# Altium PCB DIO_MCX.PCBDOC (part 1 of 3)
Units mm, origin at the board's own origin, x right, y up, seen from the top; angles counter-clockwise.
Board outline 159.99 x 100 mm, 4 copper layers (L1, P2, P3, L4), stack 1.571 mm thick; 210 components, 126 nets, 816 pads, 324 vias.
Unrouted connection lines stored in the file: 1.
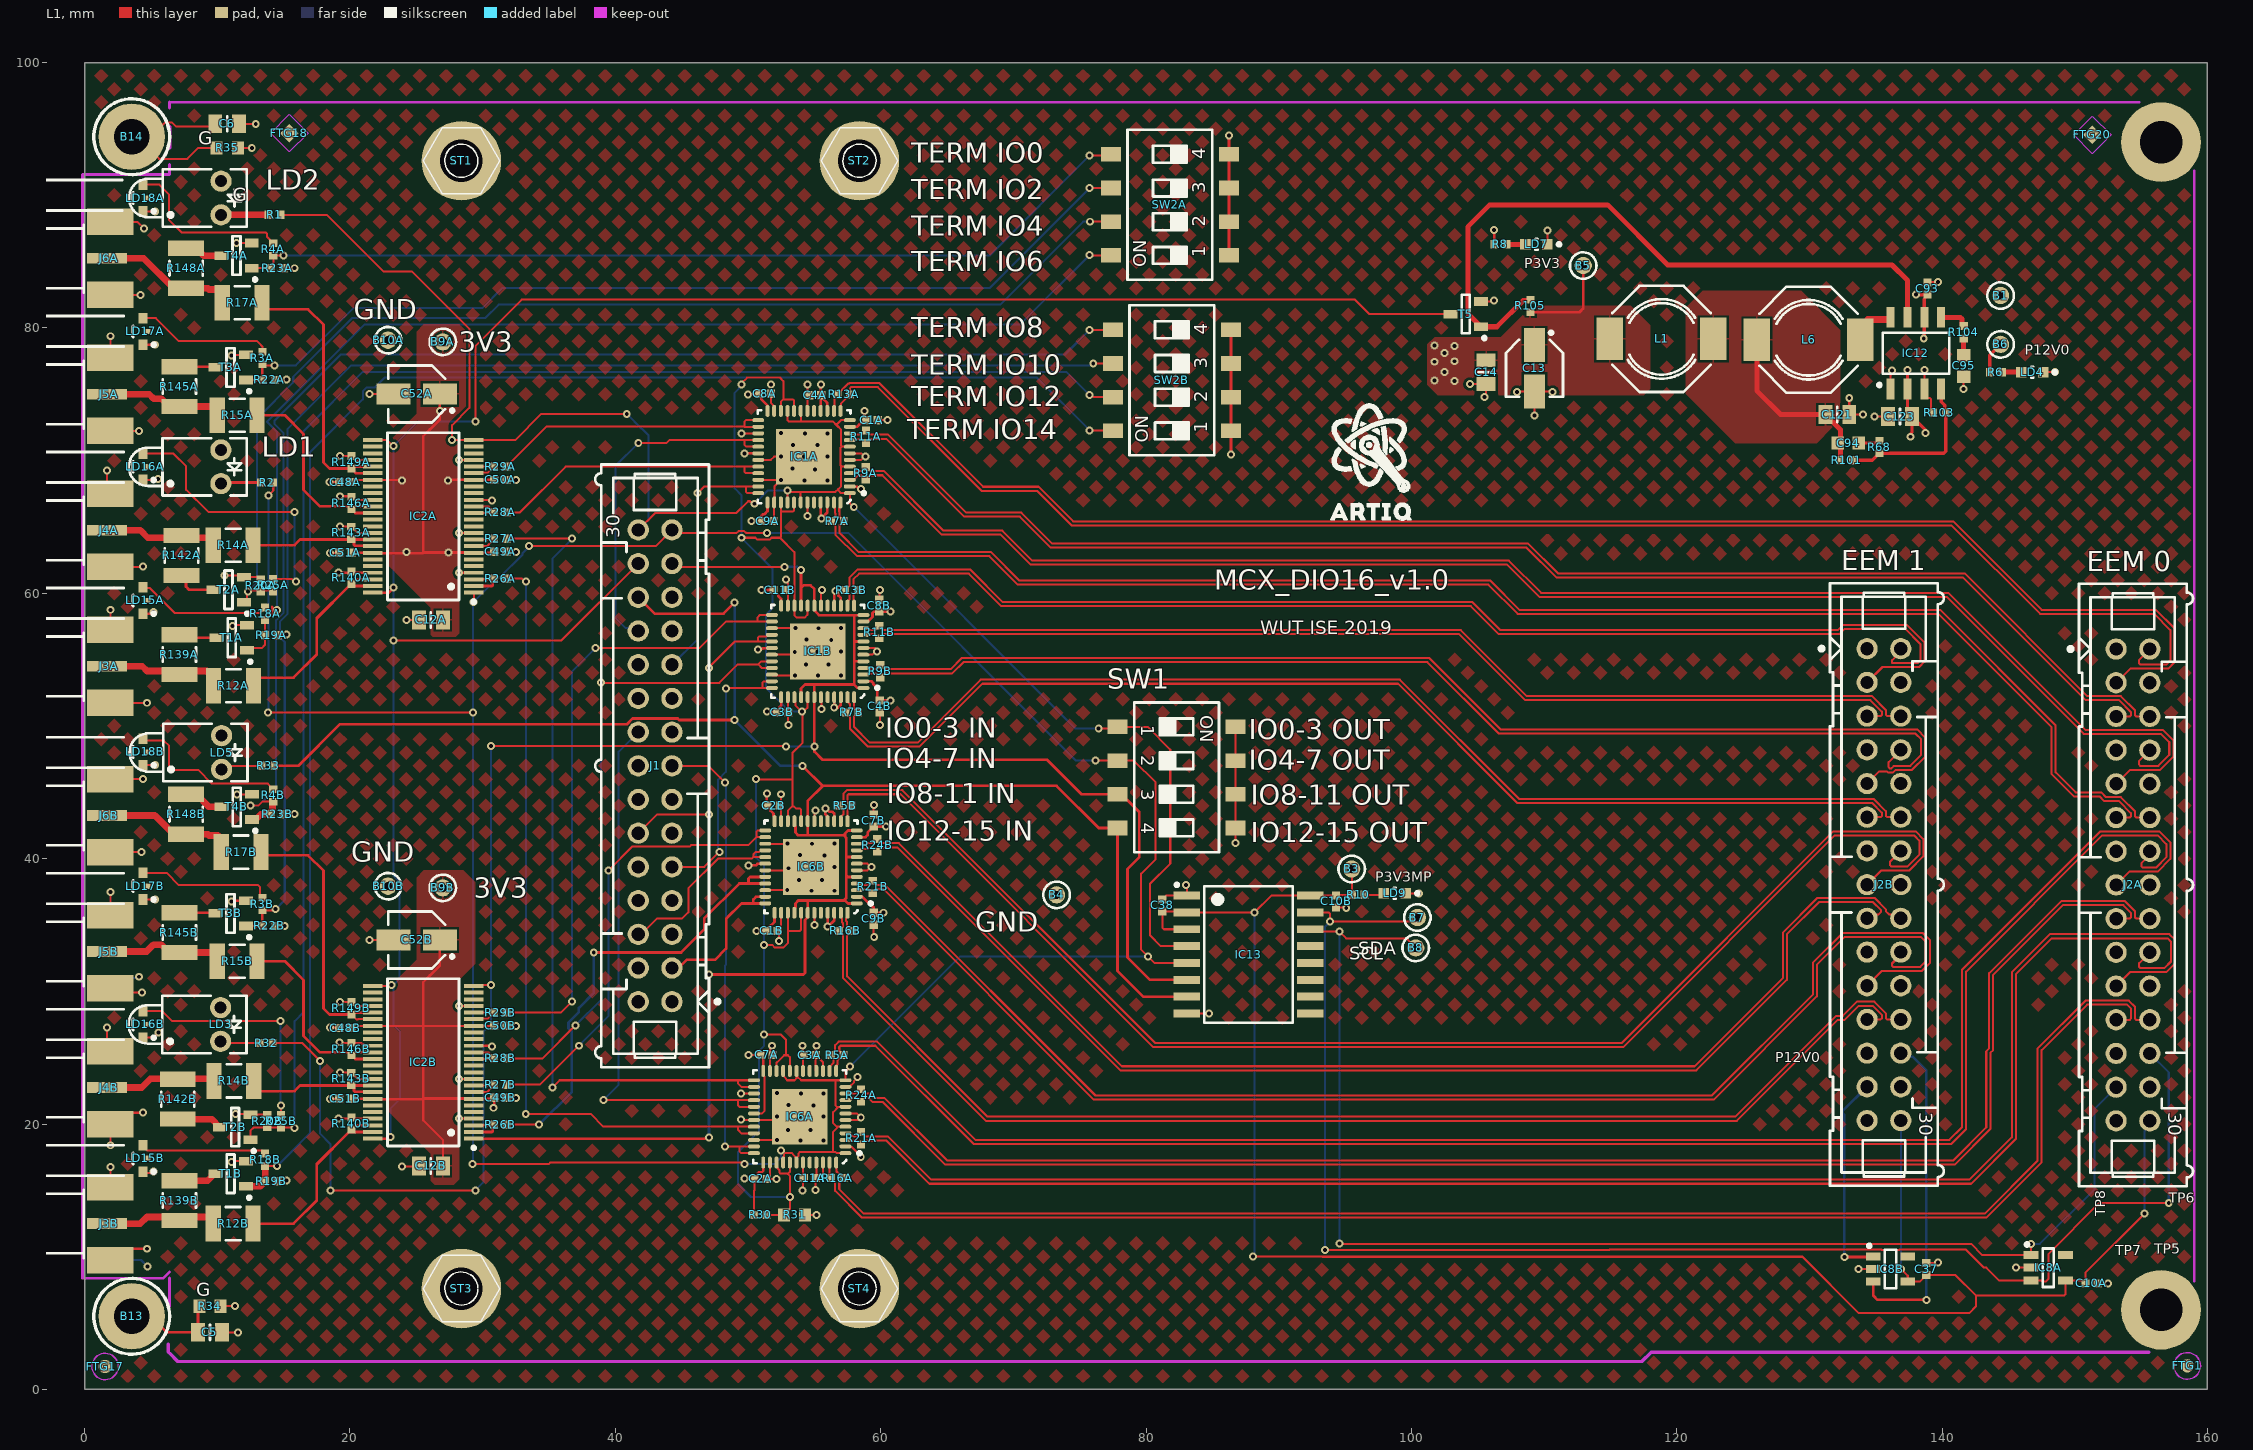
[diagram p0: L1 view]
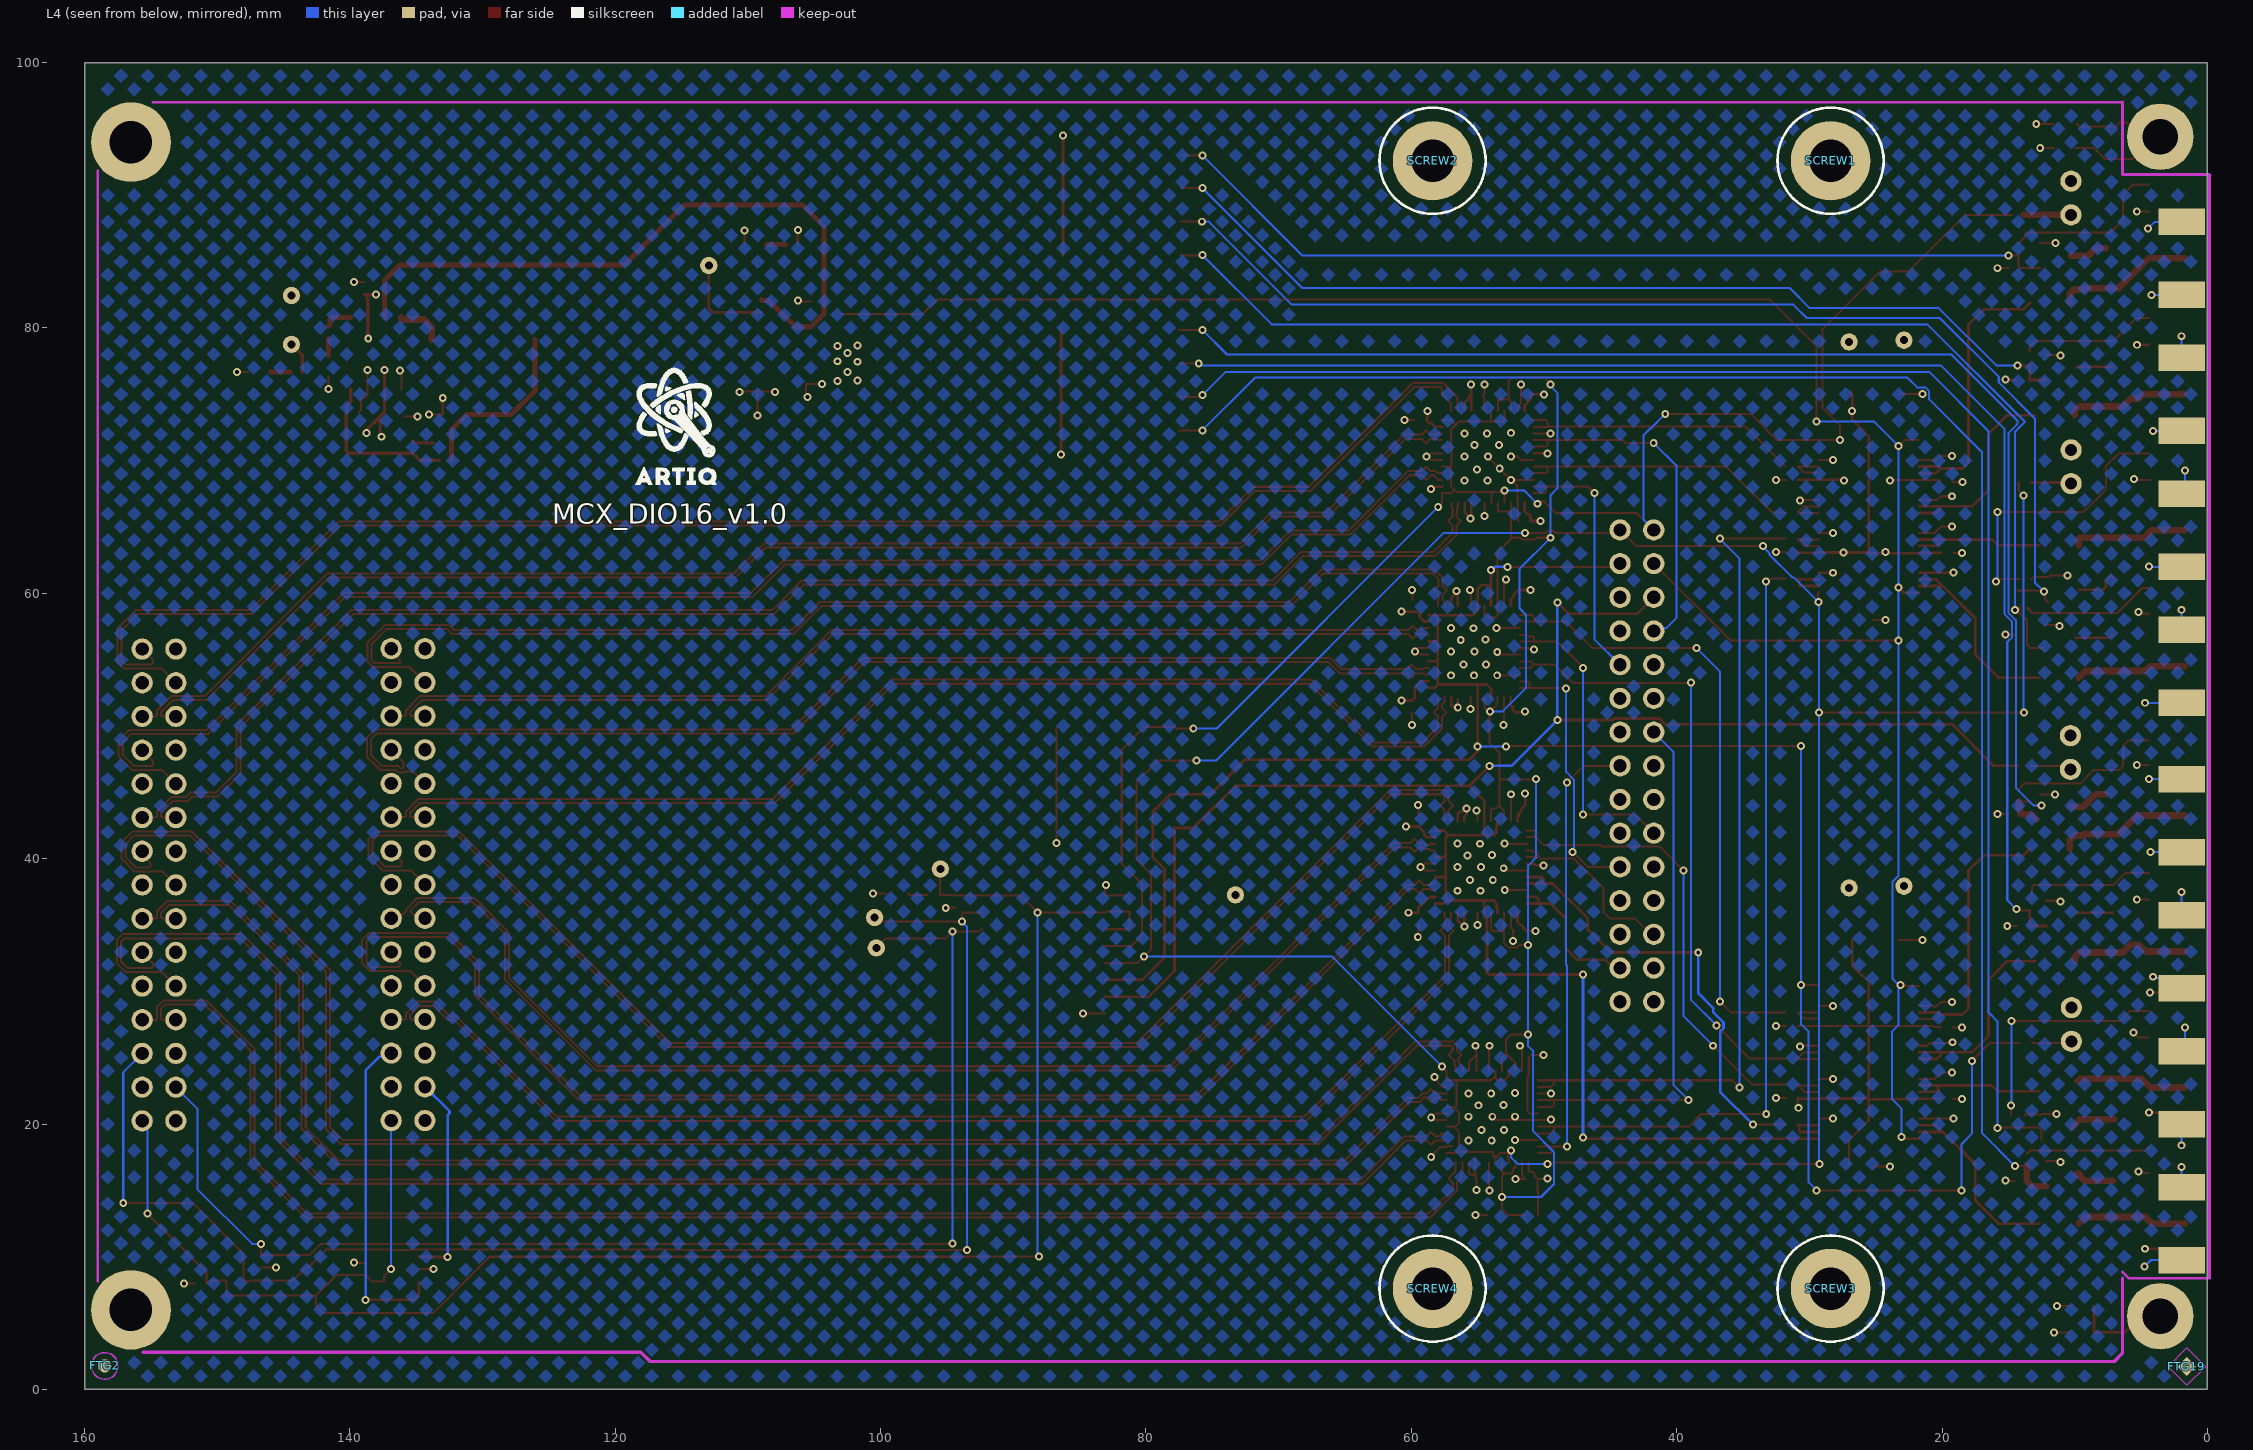
[diagram p1: L4 view, seen from below]
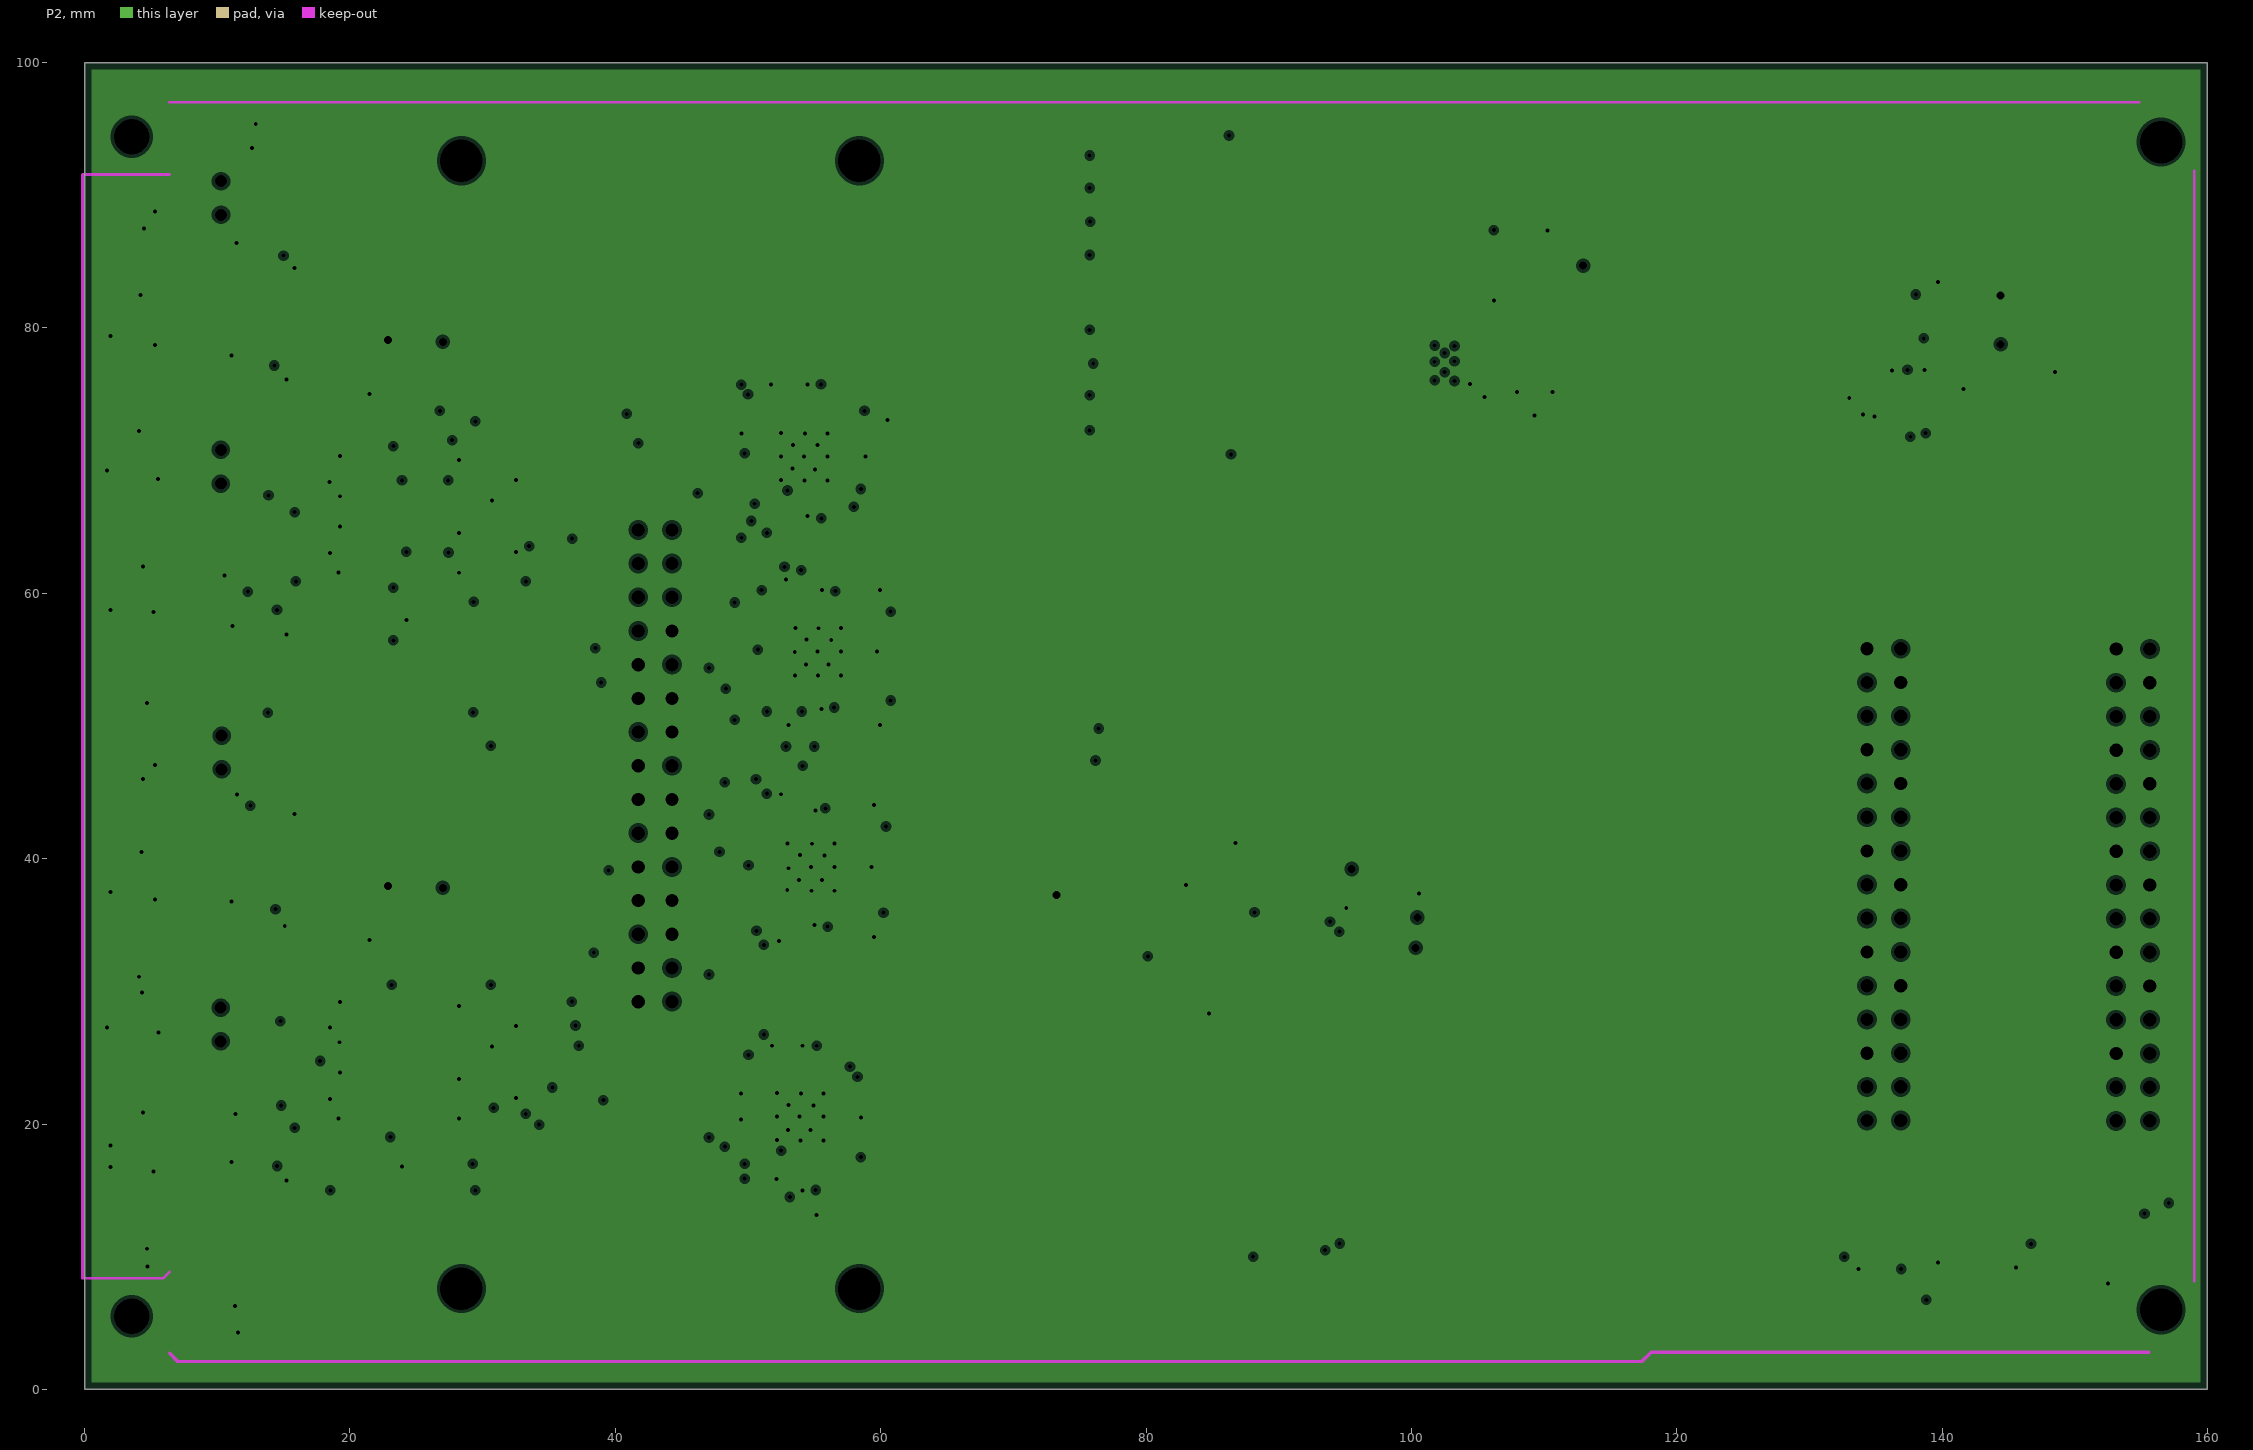
[diagram p2: P2, clearances drawn from the general rule]
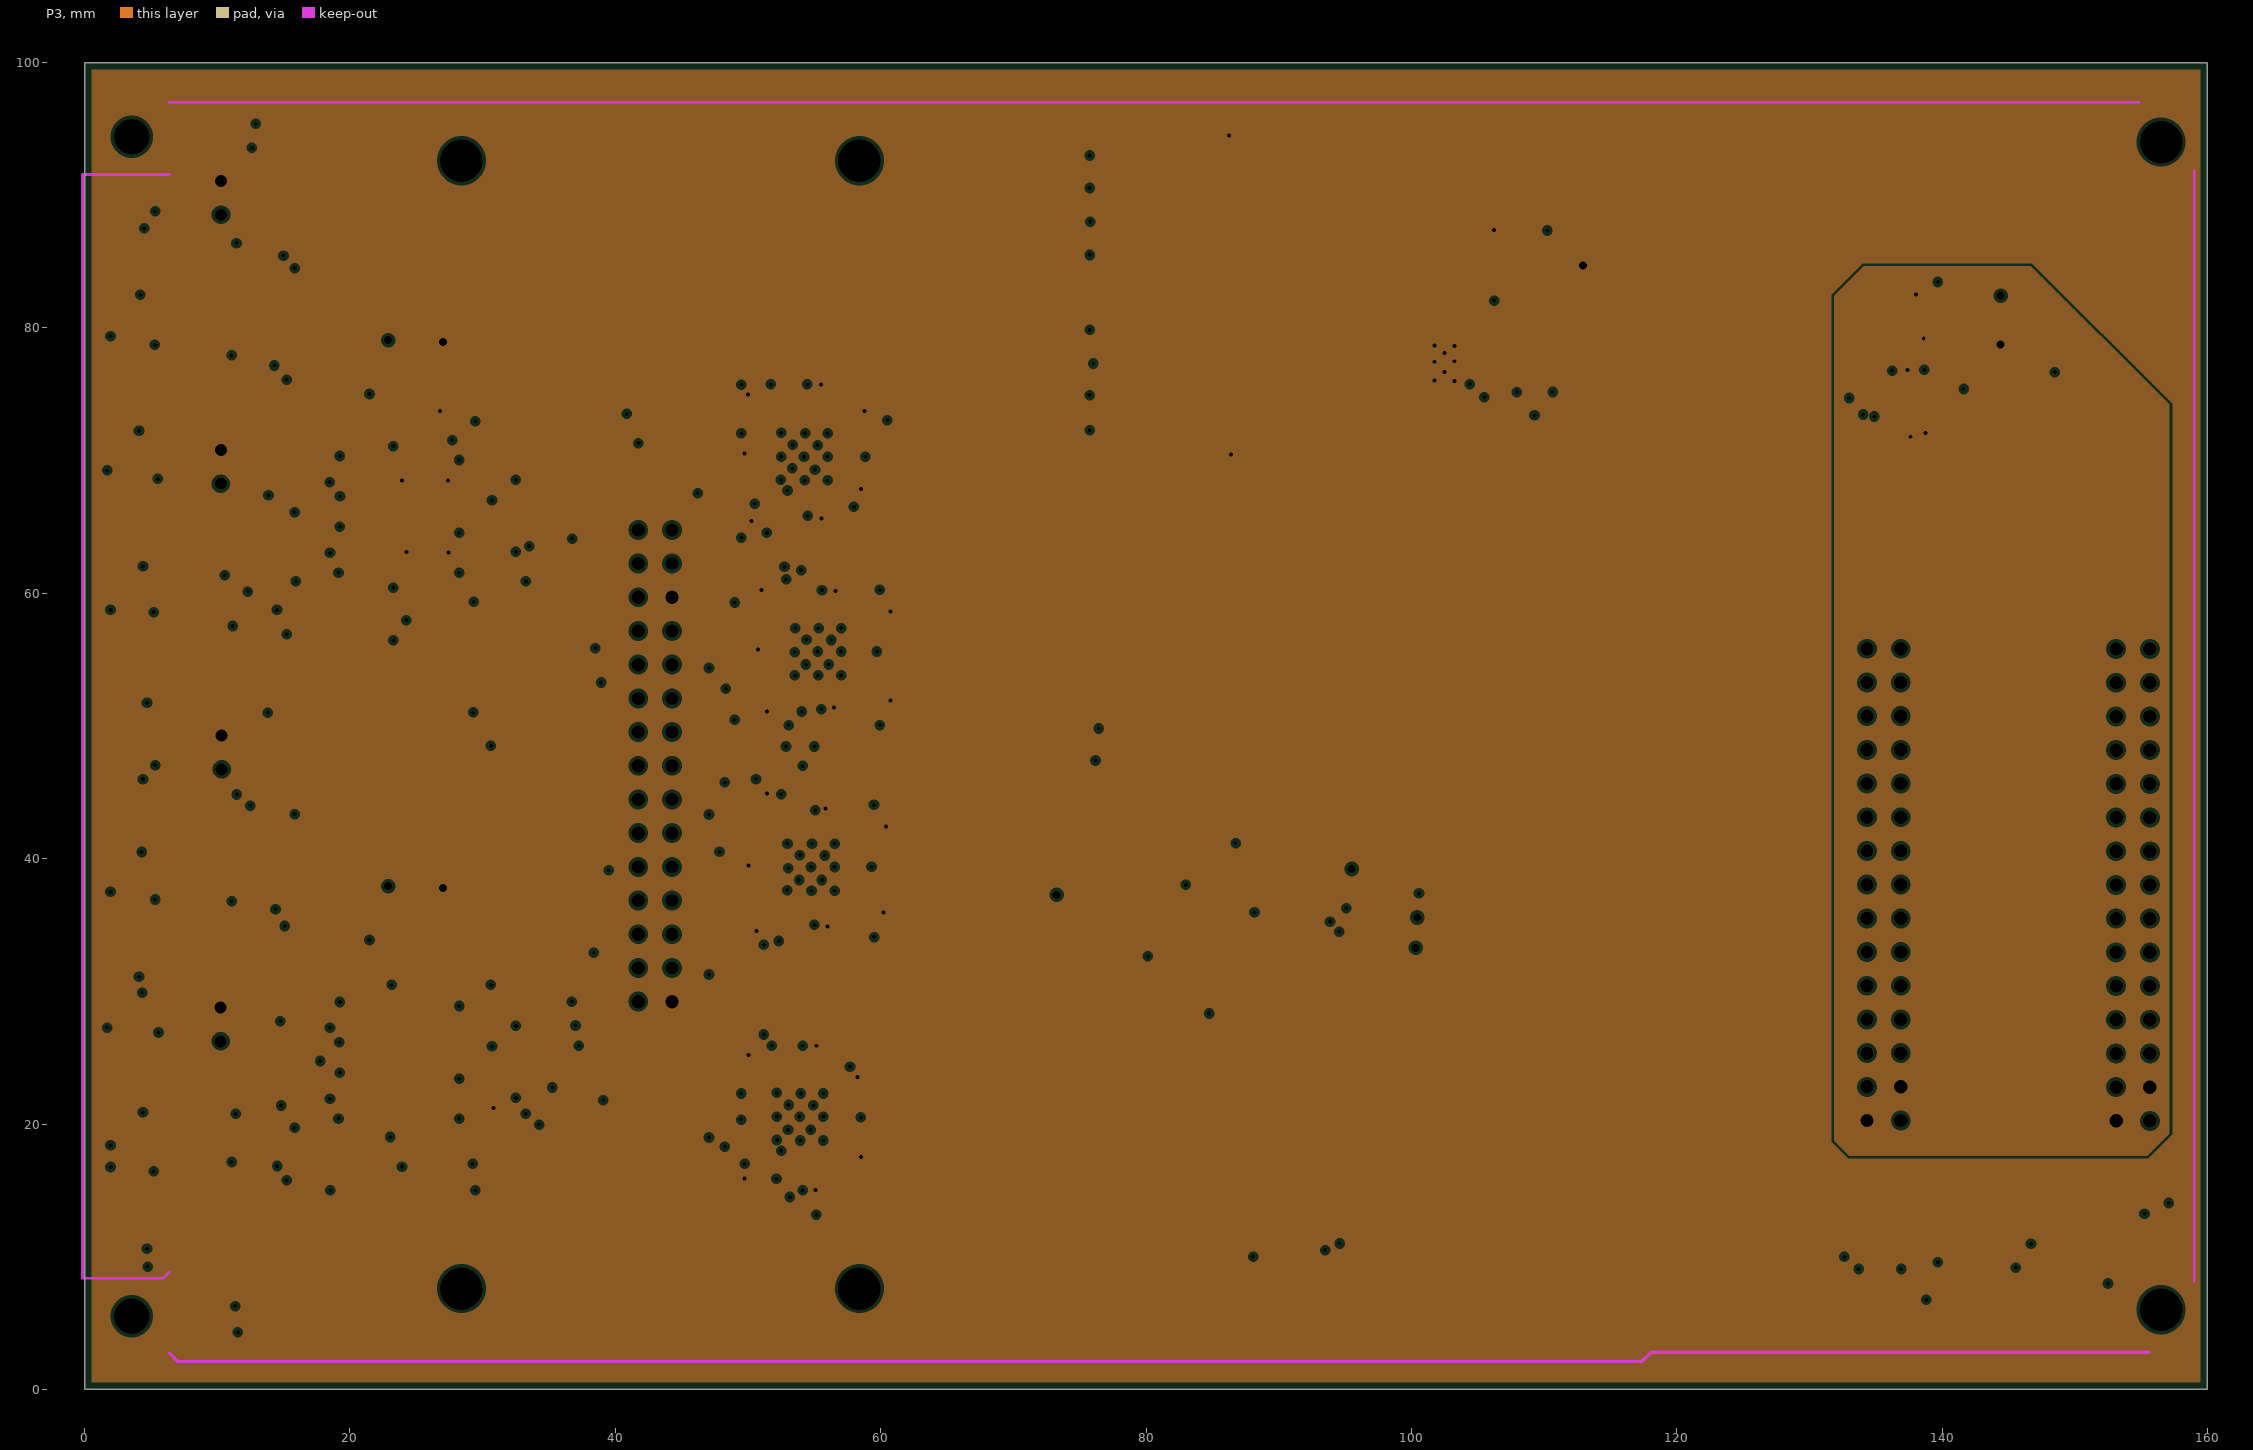
[diagram p3: P3, clearances drawn from the general rule]

## Layer stack, top to bottom
Top Solder: solder mask 0.034, Solder Resist, Dk 3.5
L1: signal copper 0.035
Dielectric 2: prepreg 0.2, 7628, Dk 4.1
P2: plane copper 0.018, net GND
Dielectric 3: prepreg 1.065, PP-006, Dk 4.1
P3: plane copper 0.018, net (Multiple Nets)
Dielectric 1: prepreg 0.2, 7628, Dk 4.1
L4: signal copper 0.035
Bottom Solder: solder mask 0.034, Solder Resist, Dk 3.5

## Board outline
0,7.625 0,81.025 0,92 0,100 159.995,100 159.995,0 0,0
